# Altium PCB board_layout.pcbdoc (part 2 of 4) (continued)
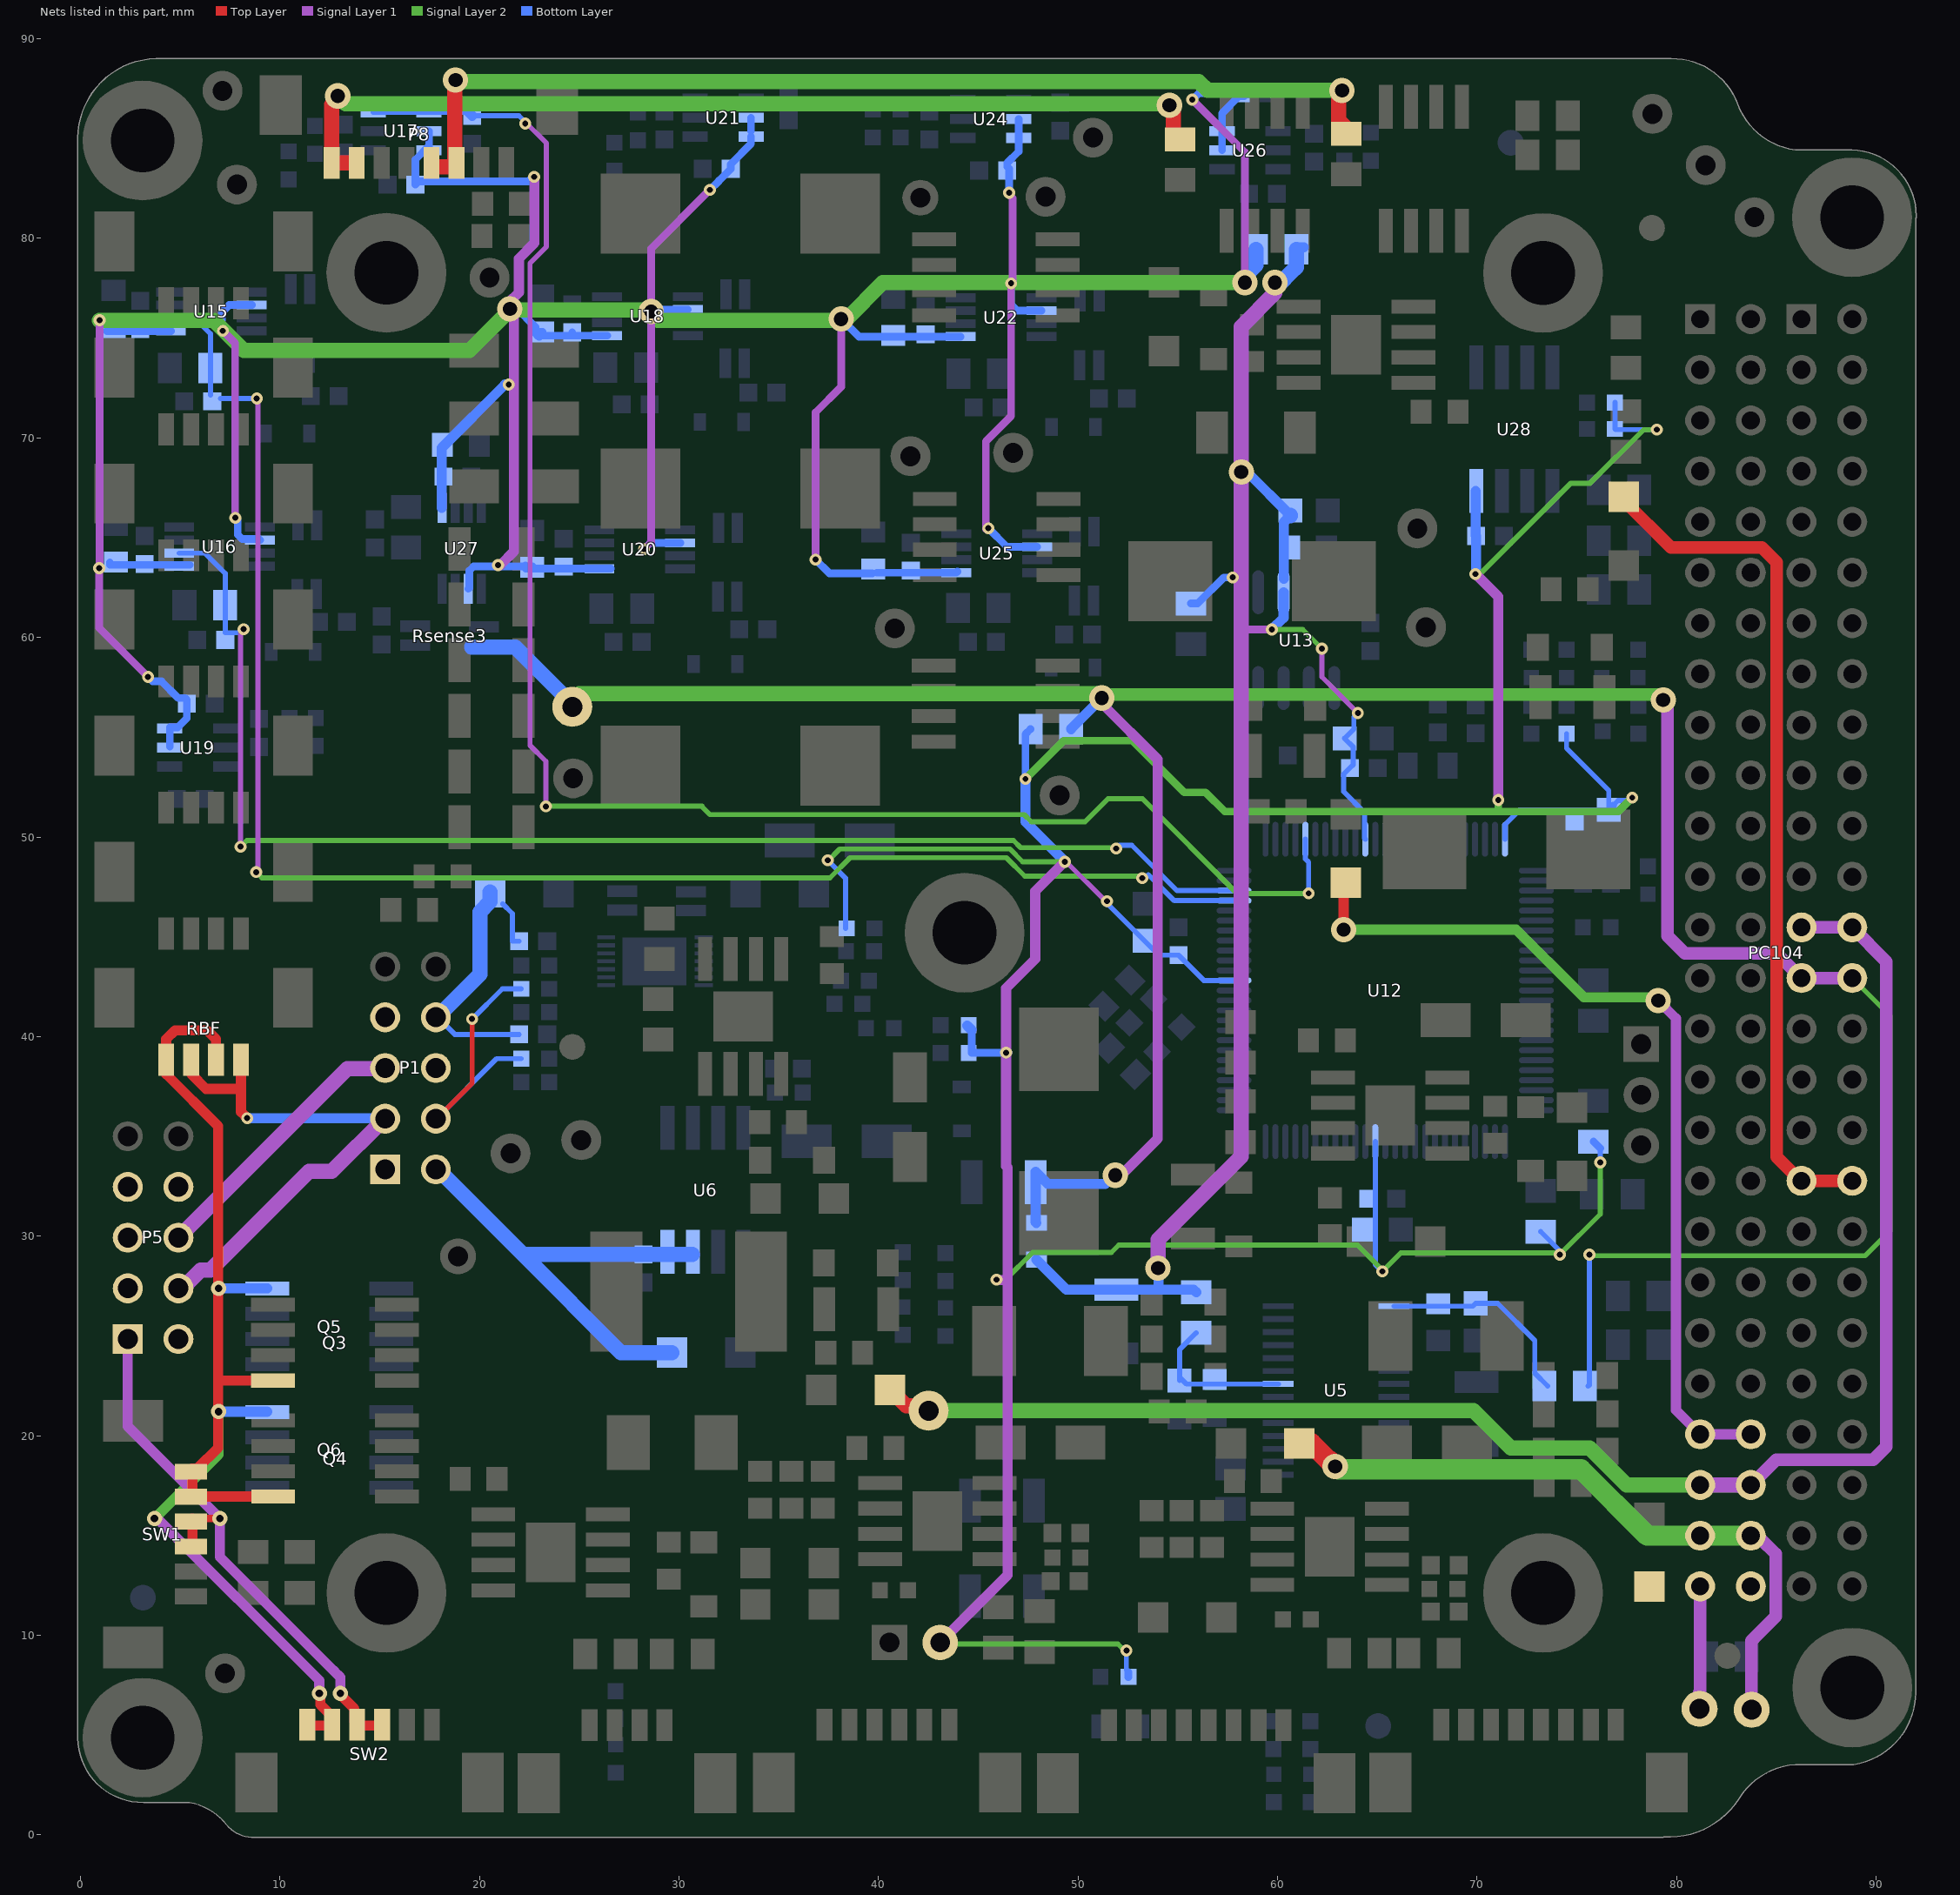
[diagram p4: the nets of this part, all layers, seen from the top]
## Part data (continued)
R38: library part R470R_1%_1/8W_0603, "RES 470R OHM 1/8W 1% 0603", Case Code (Imperial)=0603, Case Code (Metric)=1608, Manufacturer="Vishay Beyschlag", Manufacturer Part Number=MCT06030C4700FP500, Max Operating Temperature=125°C, Max Power Dissipation=125mW, Min Operating Temperature=-55°C, Package Quantity=1, Supplier Part Number 1=594-MCT06030C4700FP5, Temperature Coefficient=50ppm/°C, Tolerance=1%, Voltage Rating=75V, Case/Package=0603, ComponentLink1Description=http://www.vishay.com/docs/28705/mcx0x0xpro.pdf?src-supplier=Digi-Key, ComponentLink1URL=http://www.vishay.com/docs/28705/mcx0x0xpro.pdf?src-supplier=Digi-Key, ComponentLink2Description=http://www.vishay.com/docs/28705/mc_pro.pdf?src-supplier=Avnet, ComponentLink2URL=http://www.vishay.com/docs/28705/mc_pro.pdf?src-supplier=Avnet, ComponentLink3Description=http://www.vishay.com/docs/28705/mc_pro.pdf?src-supplier=Future+Electronics, ComponentLink3URL=http://www.vishay.com/docs/28705/mc_pro.pdf?src-supplier=Future+Electronics, ComponentLink4Description=http://www.vishay.com/docs/28705/mc_pro.pdf?src-supplier=Avnet+Europe, ComponentLink4URL=http://www.vishay.com/docs/28705/mc_pro.pdf?src-supplier=Avnet+Europe, Composition="Thin Film", Contact Plating=Tin, Depth=0.85mm, Height=0.022inch, Lead Free="Lead Free", Length=0.061inch, Military Standard=Not, NCM=8533.21.20, Number of Terminations=2, Packaging="Tape and Reel", Partnumber=MCT06030C4700FP500, Power Rating=125mW, Pricing 1="1=0.16, 50=0.076, 100=0.06, 500=0.034, 1000=0.023, 5000=0.019 (USD)", Pricing 2="1=0.17, 10=0.145, 100=0.0568, 1000=0.02376, 2500=0.02178 (USD)", Radiation Hardening=No, REACH SVHC="No SVHC", Resistance=470R, Stock 1=14813, Stock 2=21456, Supplier 1=Mouser, Supplier 2=Digi-Key, Supplier Part Number 2=MCT0603-470-CFCT-ND, Voltage Rating (DC)=75V, Width=0.033inch
R45 R70: library part R300K_0.1%_1/10W_0603, "RES 300K OHM 1/10W 0.1% 0603", Case Code (Imperial)=0603, Case Code (Metric)=1608, Manufacturer=Susumu, Manufacturer Part Number=RG1608P-304-B-T5, Max Operating Temperature=155°C, Max Power Dissipation=100mW, Min Operating Temperature=-55°C, Package Quantity=1, Power Rating=62.5mW, Resistance=300kR, Supplier Part Number 1=754-RG1608P-304-B-T5, Temperature Coefficient=25ppm/°C, Tolerance=0.1%, Voltage Rating=75V, Case/Package=0603, ComponentLink1Description=http://susumu-usa.com/pdf/RG_RM_RGH_DATASHEET.pdf?src-supplier=Future+Electronics, ComponentLink1URL=http://susumu-usa.com/pdf/RG_RM_RGH_DATASHEET.pdf?src-supplier=Future+Electronics, ComponentLink2Description=http://www.mouser.com/ds/2/392/n_catalog_partition01_en-1140338.pdf?src-supplier=Mouser, ComponentLink2URL=http://www.mouser.com/ds/2/392/n_catalog_partition01_en-1140338.pdf?src-supplier=Mouser, Composition="Thin Film", Height=0.02inch, Lead Free="Lead Free", Length=0.063inch, NCM=8533.21.20, Number of Terminations=2, Packaging="Tape and Reel", Partnumber=RG1608P-304-B-T5, Pricing 1="1=0.4, 10=0.303, 100=0.127, 500=0.102, 1000=0.07, 2500=0.065 (USD)", Pricing 2="1=0.4, 10=0.303, 100=0.1273, 1000=0.07022, 2500=0.06584 (USD)", Stock 1=6874, Stock 2=54195, Supplier 1=Mouser, Supplier 2=Digi-Key, Supplier Part Number 2=RG16P300KBCT-ND, Termination=SMD/SMT, Voltage Rating (DC)=75V, Width=0.031inch
R59: library part R3.24k_1%_1/8W_0805, "RES 3.24k OHM 1/8W 1% 0805 SMD", Case Code (Imperial)=0805, Case Code (Metric)=2012, Manufacturer=Vishay, Manufacturer Part Number=CRCW08053K24FKEA, Max Operating Temperature=155°C, Max Power Dissipation=125mW, Min Operating Temperature=-55°C, Package Quantity=10, Resistance=3.24kR, Supplier Part Number 1=71-CRCW0805-3.24K-E3, Temperature Coefficient=100ppm/°C, Tolerance=1%, Voltage Rating=150V, Case/Package=0805, ComponentLink1Description=http://www.vishay.com/docs/20035/dcrcwe3.pdf?src-supplier=Avnet, ComponentLink1URL=http://www.vishay.com/docs/20035/dcrcwe3.pdf?src-supplier=Avnet, ComponentLink2Description=http://www.vishay.com/docs/20035/dcrcwe3.pdf?src-supplier=Digi-Key, ComponentLink2URL=http://www.vishay.com/docs/20035/dcrcwe3.pdf?src-supplier=Digi-Key, ComponentLink3Description=https://www.alliedelec.com/m/d/0c934d6939ccefa68dbe0b96d821c8cf.pdf?src-supplier=Allied+Electronics, ComponentLink3URL=https://www.alliedelec.com/m/d/0c934d6939ccefa68dbe0b96d821c8cf.pdf?src-supplier=Allied+Electronics, ComponentLink4Description=http://www.farnell.com/datasheets/2111203.pdf?src-supplier=Element14, ComponentLink4URL=http://www.farnell.com/datasheets/2111203.pdf?src-supplier=Element14, ComponentLink5Description=http://www.farnell.com/datasheets/2049244.pdf?src-supplier=Element14, ComponentLink5URL=http://www.farnell.com/datasheets/2049244.pdf?src-supplier=Element14, Composition="Thick Film", Contact Plating=Tin, Depth=1.25mm, Features="Automotive AEC-Q200", Height=0.02inch, Lead Free="Lead Free", Length=2mm, Military Standard=Not, NCM=8533.21.20, Number of Pins=2, Number of Terminations=2, Packaging="Tape and Reel", Partnumber=CRCW08053K24FKEA, Power Rating=125mW, Pricing 1="1=0.1, 10=0.062, 100=0.025, 1000=0.01, 5000=0.007, 10000=0.006 (USD)", Pricing 2="1=0.1, 10=0.062, 100=0.0254, 1000=0.01142, 2500=0.00991 (USD)", Radiation Hardening=No, REACH SVHC=Unknown, Stock 1=17870, Stock 2=7978, Supplier 1=Mouser, Supplier 2=Digi-Key, Supplier Part Number 2=541-3.24KCCT-ND, Termination=Solder, Voltage Rating (DC)=150V, Weight=0.000194oz, Width=1.25mm
R62: library part R47k_1%_1/8W_0603, "RES 47K OHM 1/8W 0.5% 0603", Case Code (Imperial)=0603, Case Code (Metric)=1608, Manufacturer=Vishay, Manufacturer Part Number=MCT0603MD4702DP500, Max Operating Temperature=175°C, Max Power Dissipation=150mW, Min Operating Temperature=-55°C, Package Quantity=1, Power Rating=125mW, Resistance=47kR, Supplier Part Number 1=594-MCT0603MD4702DP5, Temperature Coefficient=25ppm/°C, Tolerance=0.5%, Voltage Rating=75V, Case/Package=0603, ComponentLink1Description=http://www.farnell.com/datasheets/360042.pdf?src-supplier=Farnell, ComponentLink1URL=http://www.farnell.com/datasheets/360042.pdf?src-supplier=Farnell, ComponentLink2Description=http://www.vishay.com/docs/28760/mcat_pro.pdf?src-supplier=Digi-Key, ComponentLink2URL=http://www.vishay.com/docs/28760/mcat_pro.pdf?src-supplier=Digi-Key, Composition="Thin Film", Features="Automotive AEC-Q200,Anti-Sulfur", Height=0.022inch, Length=0.061inch, NCM=8533.21.20, Number of Pins=2, Number of Terminations=2, Packaging="Tape and Reel", Partnumber=MCT0603MD4702DP500, Pricing 1="1=0.39, 10=0.224, 100=0.12, 500=0.096, 1000=0.072, 2500=0.062 (USD)", Pricing 2="1=0.41, 10=0.294, 100=0.1176, 1000=0.05797, 2500=0.05371 (USD)", REACH SVHC="No SVHC", Stock 1=1149, Stock 2=4275, Supplier 1=Mouser, Supplier 2=Digi-Key, Supplier Part Number 2=MCT0603-47K-MDCT-ND, Termination=SMD/SMT, Voltage Rating (DC)=75V, Weight=7.1E-05oz, Width=0.8mm
R64: library part R4.7K_1%_1/8W_0603, "RES 4K7 OHM 1/8W 1% 0603", Case/Package=0603, Case Code (Metric)=1608, Manufacturer="Vishay Beyschlag", Manufacturer Part Number=MCT06030C4701FP500, Max Operating Temperature=125°C, Max Power Dissipation=125mW, Min Operating Temperature=-55°C, Package Quantity=1, Resistance=4.7kR, Supplier Part Number 1=594-MCT06030C4701FP5, Temperature Coefficient=50ppm/°C, Tolerance=1%, Voltage Rating=75V, Case Code (Imperial)=0603, ComponentLink1Description=http://www.vishay.com/docs/28705/mc_pro.pdf?src-supplier=Avnet, ComponentLink1URL=http://www.vishay.com/docs/28705/mc_pro.pdf?src-supplier=Avnet, ComponentLink2Description=http://www.vishay.com/docs/28705/mc_pro.pdf?src-supplier=Future+Electronics, ComponentLink2URL=http://www.vishay.com/docs/28705/mc_pro.pdf?src-supplier=Future+Electronics, ComponentLink3Description=http://www.vishay.com/docs/28705/mcx0x0xpro.pdf?src-supplier=Digi-Key, ComponentLink3URL=http://www.vishay.com/docs/28705/mcx0x0xpro.pdf?src-supplier=Digi-Key, Composition="Thin Film", Contact Plating=Tin, Depth=0.85mm, Height=0.022inch, Lead Free="Lead Free", Length=1.55mm, Military Standard=Not, Mount="Surface Mount", Number of Terminations=2, Packaging="Tape and Reel", Partnumber=MCT06030C4701FP500, Power Rating=125mW, Pricing 1="1=0.16, 50=0.076, 100=0.06, 500=0.034, 1000=0.023, 5000=0.019 (USD)", Pricing 2="1=0.17, 10=0.145, 100=0.0568, 1000=0.02376, 2500=0.02178 (USD)", Radiation Hardening=No, REACH SVHC="No SVHC", Stock 1=126399, Stock 2=38031, Supplier 1=Mouser, Supplier 2=Digi-Key, Supplier Part Number 2=MCT0603-4.70K-CFCT-ND, Voltage Rating (DC)=75V, Width=0.033inch
R65 R66: library part R10k_1%_1/8W_0603, "RES 10K OHM 1/8W 1%  0603", Case Code (Imperial)=0603, Case Code (Metric)=1608, Manufacturer="Vishay Beyschlag", Manufacturer Part Number=MCT0603MC1002FP500, Max Operating Temperature=155°C, Min Operating Temperature=-55°C, Package Quantity=5000, Power Rating=125mW, Resistance=10kR, Supplier Part Number 1=594-MCT0603MC1002FP5, Tolerance=1%, Voltage Rating=75V, Case/Package=0603, ComponentLink1Description=http://www.mouser.com/ds/2/427/mcat_pro-223602.pdf?src-supplier=Mouser, ComponentLink1URL=http://www.mouser.com/ds/2/427/mcat_pro-223602.pdf?src-supplier=Mouser, ComponentLink2Description=http://www.vishay.com/docs/28760/mcat_pro.pdf?src-supplier=Digi-Key, ComponentLink2URL=http://www.vishay.com/docs/28760/mcat_pro.pdf?src-supplier=Digi-Key, Composition="Thin Film", Height=0.45mm, Length=1.6mm, NCM=8533.21.20, Packaging="Tape and Reel", Partnumber=MCT0603MC1002FP500, Pricing 1="1=0.35, 10=0.258, 100=0.113, 500=0.102, 1000=0.051, 2500=0.046 (USD)", Pricing 2="1=0.35, 10=0.298, 100=0.1164, 1000=0.04871, 2500=0.04465 (USD)", Stock 1=17645, Stock 2=63961, Supplier 1=Mouser, Supplier 2=Digi-Key, Supplier Part Number 2=MCT0603-10.0K-MFCT-ND, Termination=SMD/SMT, Weight=7.1E-05oz, Width=0.8mm
R69 R74 R81: library part R93.1K_1%_1/10W_0603, "RES 93.1K OHM 1/10W 1% 0603", Case Code (Imperial)=0603, Case Code (Metric)=1608, Manufacturer=Vishay, Manufacturer Part Number=CRCW060393K1FKEA, Max Operating Temperature=155°C, Max Power Dissipation=100mW, Min Operating Temperature=-55°C, Package Quantity=10, Resistance=93.1kR, Supplier Part Number 1=71-CRCW0603-93.1K-E3, Temperature Coefficient=100ppm/°C, Tolerance=1%, Voltage Rating=75V, Case/Package=0603, ComponentLink1Description=http://www.farnell.com/datasheets/2046716.pdf?src-supplier=Element14, ComponentLink1URL=http://www.farnell.com/datasheets/2046716.pdf?src-supplier=Element14, ComponentLink2Description=http://www.farnell.com/datasheets/2111203.pdf?src-supplier=Element14, ComponentLink2URL=http://www.farnell.com/datasheets/2111203.pdf?src-supplier=Element14, ComponentLink3Description=https://www.alliedelec.com/m/d/0c934d6939ccefa68dbe0b96d821c8cf.pdf?src-supplier=Allied+Electronics, ComponentLink3URL=https://www.alliedelec.com/m/d/0c934d6939ccefa68dbe0b96d821c8cf.pdf?src-supplier=Allied+Electronics, ComponentLink4Description=http://www.vishay.com/docs/20035/dcrcwe3.pdf?src-supplier=Digi-Key, ComponentLink4URL=http://www.vishay.com/docs/20035/dcrcwe3.pdf?src-supplier=Digi-Key, ComponentLink5Description=http://www.farnell.com/datasheets/1697337.pdf?src-supplier=Element14, ComponentLink5URL=http://www.farnell.com/datasheets/1697337.pdf?src-supplier=Element14, ComponentLink6Description=http://www.mouser.com/ds/2/427/dcrcwe3-109170.pdf?src-supplier=Mouser, ComponentLink6URL=http://www.mouser.com/ds/2/427/dcrcwe3-109170.pdf?src-supplier=Mouser, ComponentLink7Description=http://www.vishay.com/docs/20035/dcrcwe3.pdf?src-supplier=Avnet, ComponentLink7URL=http://www.vishay.com/docs/20035/dcrcwe3.pdf?src-supplier=Avnet, ComponentLink8Description=http://www.vishay.com/docs/20035/dcrcwe3.pdf?src-supplier=Future+Electronics, ComponentLink8URL=http://www.vishay.com/docs/20035/dcrcwe3.pdf?src-supplier=Future+Electronics, Composition="Thick Film", Contact Plating=Tin, Depth=0.85mm, Features="Automotive AEC-Q200", Height=0.45mm, Lead Free="Lead Free", Length=1.55mm, Military Standard=Not, Mount="Surface Mount", NCM=8533.21.20, Number of Pins=2, Number of Terminations=2, Packaging="Tape and Reel", Partnumber=CRCW060393K1FKEA, Power Rating=100mW, Pricing 1="1=0.1, 10=0.037, 100=0.034, 500=0.015, 1000=0.006, 2500=0.005 (USD)", Pricing 2="1=0.1, 10=0.034, 100=0.0139, 1000=0.00623, 2500=0.0054 (USD)", Radiation Hardening=No, REACH SVHC=Unknown, Stock 1=10084, Stock 2=12334, Supplier 1=Mouser, Supplier 2=Digi-Key, Supplier Part Number 2=541-93.1KHCT-ND, Termination=SMD/SMT, Voltage Rating (DC)=75V, Weight=7.1E-05oz, Width=0.033inch, Working Voltage=75V
R71 R73 R76 R82 R86: library part R100K_1%_1/10W_0603, "RES 100K OHM 1/10W 1% 0603", Case Code (Imperial)=0603, Case Code (Metric)=1608, Manufacturer=Vishay, Manufacturer Part Number=CRCW0603-100KFKEA, Max Operating Temperature=155°C, Max Power Dissipation=100mW, Min Operating Temperature=-55°C, Package Quantity=10, Partnumber=CRCW0603100KFKEA, Resistance=100kR, Supplier Part Number 1=71-CRCW0603-100K-E3, Temperature Coefficient=100ppm/°C, Tolerance=1%, Voltage Rating=75V, Case/Package=0603, ComponentLink1Description=http://www.vishay.com/docs/20035/dcrcwe3.pdf?src-supplier=Digi-Key, ComponentLink1URL=http://www.vishay.com/docs/20035/dcrcwe3.pdf?src-supplier=Digi-Key, ComponentLink2Description=http://www.farnell.com/datasheets/2310790.pdf?src-supplier=Element14, ComponentLink2URL=http://www.farnell.com/datasheets/2310790.pdf?src-supplier=Element14, ComponentLink3Description=https://www.verical.com/server-webapp/html/getDatasheet?partID=93113&src-supplier=Verical, ComponentLink3URL=https://www.verical.com/server-webapp/html/getDatasheet?partID=93113&src-supplier=Verical, ComponentLink4Description=http://www.farnell.com/datasheets/2045673.pdf?src-supplier=Element14, ComponentLink4URL=http://www.farnell.com/datasheets/2045673.pdf?src-supplier=Element14, ComponentLink5Description=http://www.farnell.com/datasheets/2310790.pdf?src-supplier=Avnet, ComponentLink5URL=http://www.farnell.com/datasheets/2310790.pdf?src-supplier=Avnet, ComponentLink6Description=http://www.farnell.com/datasheets/2310790.pdf?src-supplier=Allied+Electronics, ComponentLink6URL=http://www.farnell.com/datasheets/2310790.pdf?src-supplier=Allied+Electronics, ComponentLink7Description=http://www.vishay.com/docs/20035/dcrcwe3.pdf?src-supplier=Avnet, ComponentLink7URL=http://www.vishay.com/docs/20035/dcrcwe3.pdf?src-supplier=Avnet, ComponentLink8Description=http://www.farnell.com/datasheets/2310790.pdf?src-supplier=Mouser, ComponentLink8URL=http://www.farnell.com/datasheets/2310790.pdf?src-supplier=Mouser, ComponentLink9Description=http://uk.rs-online.com/webdocs/0d98/0900766b80d98afc.pdf?src-supplier=RSComponents, ComponentLink9URL=http://uk.rs-online.com/webdocs/0d98/0900766b80d98afc.pdf?src-supplier=RSComponents, ComponentLink10Description=http://www.farnell.com/datasheets/2310790.pdf?src-supplier=Distrelec, ComponentLink10URL=http://www.farnell.com/datasheets/2310790.pdf?src-supplier=Distrelec, ComponentLink11Description=http://www.vishay.com/docs/20008/dcrcw.pdf?src-supplier=Avnet+Europe, ComponentLink11URL=http://www.vishay.com/docs/20008/dcrcw.pdf?src-supplier=Avnet+Europe, Composition="Thick Film", Contact Plating=Tin,Lead, Depth=0.85mm, Features="Automotive AEC-Q200", Height=0.45mm, Lead Free="Lead Free", Length=1.55mm, Military Standard=Not, NCM=8533.21.20, Number of Pins=2, Number of Terminations=2, Packaging="Tape and Reel", Power Rating=100mW, Pricing 1="1=0.1, 10=0.037, 100=0.015, 500=0.006, 1000=0.004, 5000=0.004 (USD)", Pricing 2="1=0.1, 10=0.034, 100=0.0139, 1000=0.00623, 2500=0.0054 (USD)", Radiation Hardening=No, REACH SVHC=Unknown, Stock 1=53, Stock 2=34451, Supplier 1=Mouser, Supplier 2=Digi-Key, Supplier Part Number 2=541-100KHCT-ND, Termination=SMD/SMT, Voltage Rating (DC)=75V, Weight=7.1E-05oz, Width=0.033inch
R80: library part R1.0k_1%_1/8W_0603, "RES 1.0K OHM 1/8W 1% 0603", Case/Package=0603, Case Code (Metric)=1608, Manufacturer=Vishay, Manufacturer Part Number=MCT06030C1001FP500, Max Operating Temperature=125°C, Max Power Dissipation=125mW, Min Operating Temperature=-55°C, Package Quantity=1, Power Rating=100mW, Resistance=1kR, Supplier Part Number 1=594-MCT06030C1001FP5, Temperature Coefficient=50ppm/°C, Tolerance=1%, Voltage Rating=75V, Case Code (Imperial)=0603, ComponentLink1Description=http://www.vishay.com/docs/28705/mcx0x0xpro.pdf?src-supplier=Digi-Key, ComponentLink1URL=http://www.vishay.com/docs/28705/mcx0x0xpro.pdf?src-supplier=Digi-Key, ComponentLink2Description=http://www.vishay.com/docs/28705/mc_pro.pdf?src-supplier=Avnet+Europe, ComponentLink2URL=http://www.vishay.com/docs/28705/mc_pro.pdf?src-supplier=Avnet+Europe, ComponentLink3Description=http://www.vishay.com/docs/28705/mc_pro.pdf?src-supplier=Avnet, ComponentLink3URL=http://www.vishay.com/docs/28705/mc_pro.pdf?src-supplier=Avnet, ComponentLink4Description=http://www.vishay.com/docs/28705/mc_pro.pdf?src-supplier=Future+Electronics, ComponentLink4URL=http://www.vishay.com/docs/28705/mc_pro.pdf?src-supplier=Future+Electronics, Composition="Thin Film", Contact Plating=Tin, Depth=0.85mm, Height=0.022inch, Lead Free="Lead Free", Length=1.55mm, Military Standard=Not, Mount="Surface Mount", NCM=8533.21.20, Number of Terminations=2, Packaging="Tape and Reel", Partnumber=MCT06030C1001FP500, Pricing 1="1=0.1, 1000=0.025, 2000=0.023, 5000=0.019, 10000=0.018, 20000=0.017 (USD)", Pricing 2="1=0.17, 10=0.145, 100=0.0568, 1000=0.02376, 2500=0.02178 (USD)", Radiation Hardening=No, REACH SVHC=Unknown, Stock 1=142157, Stock 2=268907, Supplier 1=Mouser, Supplier 2=Digi-Key, Supplier Part Number 2=MCT0603-1.00K-CFCT-ND, Termination=SMD/SMT, Voltage Rating (DC)=75V, Weight=7.1E-05oz, Width=0.033inch
R83 R84: library part R10k_1%_1/8W_0603, "RES 10K OHM 1/8W 1%  0603", Case/Package=0603, Case Code (Metric)=1608, Manufacturer="Vishay Beyschlag", Manufacturer Part Number=MCT0603MC1002FP500, Max Operating Temperature=155°C, Min Operating Temperature=-55°C, Package Quantity=5000, Power Rating=125mW, Resistance=10kR, Supplier Part Number 1=594-MCT0603MC1002FP5, Tolerance=1%, Voltage Rating=75V, Case Code (Imperial)=0603, ComponentLink1Description=http://www.mouser.com/ds/2/427/mcat_pro-223602.pdf?src-supplier=Mouser, ComponentLink1URL=http://www.mouser.com/ds/2/427/mcat_pro-223602.pdf?src-supplier=Mouser, ComponentLink2Description=http://www.vishay.com/docs/28760/mcat_pro.pdf?src-supplier=Digi-Key, ComponentLink2URL=http://www.vishay.com/docs/28760/mcat_pro.pdf?src-supplier=Digi-Key, Composition="Thin Film", Height=0.45mm, Length=1.6mm, NCM=8533.21.20, Packaging="Tape and Reel", Partnumber=MCT0603MC1002FP500, Pricing 1="1=0.35, 10=0.258, 100=0.113, 500=0.102, 1000=0.051, 2500=0.046 (USD)", Pricing 2="1=0.35, 10=0.298, 100=0.1164, 1000=0.04871, 2500=0.04465 (USD)", Stock 1=17645, Stock 2=63961, Supplier 1=Mouser, Supplier 2=Digi-Key, Supplier Part Number 2=MCT0603-10.0K-MFCT-ND, Termination=SMD/SMT, Weight=7.1E-05oz, Width=0.8mm
R92: library part R150R_1%_1/10W_0603, "RES 150R OHM 1/10W 1% 0603", Case/Package=0603, Case Code (Metric)=1608, Manufacturer=Vishay, Manufacturer Part Number=CRCW0603150RFKEA, Max Operating Temperature=155°C, Max Power Dissipation=100mW, Min Operating Temperature=-55°C, Package Quantity=10, Supplier Part Number 1=71-CRCW0603-150-E3, Temperature Coefficient=100ppm/°C, Tolerance=1%, Voltage Rating=75V, Case Code (Imperial)=0603, ComponentLink1Description=http://www.vishay.com/docs/20035/dcrcwe3.pdf?src-supplier=Digi-Key, ComponentLink1URL=http://www.vishay.com/docs/20035/dcrcwe3.pdf?src-supplier=Digi-Key, ComponentLink2Description=http://www.mouser.com/ds/2/427/dcrcwe3-109170.pdf?src-supplier=Mouser, ComponentLink2URL=http://www.mouser.com/ds/2/427/dcrcwe3-109170.pdf?src-supplier=Mouser, ComponentLink3Description=http://uk.rs-online.com/webdocs/0d98/0900766b80d98afc.pdf?src-supplier=RSComponents, ComponentLink3URL=http://uk.rs-online.com/webdocs/0d98/0900766b80d98afc.pdf?src-supplier=RSComponents, ComponentLink4Description=http://www.vishay.com/docs/20035/dcrcwe3.pdf?src-supplier=Avnet+Europe, ComponentLink4URL=http://www.vishay.com/docs/20035/dcrcwe3.pdf?src-supplier=Avnet+Europe, ComponentLink5Description=https://www.distrelec.biz/Web/Downloads/a_/en/flD-CRCW-e3_data_en.pdf?mime=application%2Fpdf&src-supplier=Distrelec, ComponentLink5URL=https://www.distrelec.biz/Web/Downloads/a_/en/flD-CRCW-e3_data_en.pdf?mime=application%2Fpdf&src-supplier=Distrelec, ComponentLink6Description=http://www.farnell.com/datasheets/2310790.pdf?src-supplier=Element14, ComponentLink6URL=http://www.farnell.com/datasheets/2310790.pdf?src-supplier=Element14, ComponentLink7Description=https://www.alliedelec.com/m/d/0c934d6939ccefa68dbe0b96d821c8cf.pdf?src-supplier=Allied+Electronics, ComponentLink7URL=https://www.alliedelec.com/m/d/0c934d6939ccefa68dbe0b96d821c8cf.pdf?src-supplier=Allied+Electronics, ComponentLink8Description=http://www.vishay.com/docs/20035/dcrcwe3.pdf?src-supplier=Avnet, ComponentLink8URL=http://www.vishay.com/docs/20035/dcrcwe3.pdf?src-supplier=Avnet, Composition="Thick Film", Contact Plating=Tin, Depth=0.85mm, Features="Automotive AEC-Q200", Height=0.45mm, Lead Free="Lead Free", Length=1.55mm, Military Standard=Not, Mount="Surface Mount", NCM=8533.21.20, Number of Terminations=2, Packaging="Tape and Reel", Partnumber=CRCW0603150RFKEA, Power Rating=100mW, Pricing 1="1=0.1, 10=0.037, 100=0.034, 500=0.015, 1000=0.006, 2500=0.005 (USD)", Pricing 2="1=0.1, 10=0.034, 100=0.0139, 1000=0.00623, 2500=0.0054 (USD)", Radiation Hardening=No, REACH SVHC=Unknown, Resistance=150R, Stock 1=109151, Stock 2=5196, Supplier 1=Mouser, Supplier 2=Digi-Key, Supplier Part Number 2=541-150HCT-ND, Termination=SMD/SMT, Voltage Rating (DC)=75V, Weight=7.1E-05oz, Width=0.033inch
R_ESD: library part R1200k_1%_1/8W_0805, "RES 1200K OHM 1/8W 0.1% 0805", Case Code (Imperial)=0805, Case Code (Metric)=2012, Manufacturer=Susumu, Manufacturer Part Number=RG2012P-125-B-T5, Max Operating Temperature=155°C, Max Power Dissipation=125mW, Min Operating Temperature=-55°C, Resistance=1.2MR, Supplier Part Number 1=754-RG2012P-125B-T5, Temperature Coefficient=25ppm/°C, Tolerance=0.1%, Case/Package=0805, Composition="Thin Film", Features="Automotive AEC-Q200,Anti-Sulfur", Number of Terminations=2, Packaging="Cut Tape", Partnumber=RG2012P-125-B-T5, Pricing 1="1=0.61, 10=0.47, 100=0.197, 500=0.151, 1000=0.109, 2500=0.102 (USD)", Pricing 2="1=0.58, 10=0.448, 100=0.1882, 1000=0.10384, 2500=0.09735 (USD)", Stock 1=26639, Stock 2=10826, Supplier 1=Mouser, Supplier 2=Digi-Key, Supplier Part Number 2=408-2024-1-ND
RBF: "PicoBlade 4 Position Vertical Connector Header Surface Mount  0.049\" (1.25mm)", Color=Natural, Contact Resistance=20mR, Current Rating=1A, Flammability Rating="UL94 V-0", Insulation Resistance=100MR, Manufacturer=Molex, Manufacturer Part Number=53398-0471, Max Operating Temperature=85°C, Min Operating Temperature=-40°C, Package Quantity=1000, Supplier Part Number 1=538-53398-0471, Voltage Rating=125V, Body Plating=Tin, ComponentLink1Description=http://www.mouser.com/ds/2/276/0533980471_PCB_HEADERS-171069.pdf?src-supplier=Mouser, ComponentLink1URL=http://www.mouser.com/ds/2/276/0533980471_PCB_HEADERS-171069.pdf?src-supplier=Mouser, ComponentLink2Description=http://www.jameco.com/Jameco/Products/ProdDS/1932627.pdf?src-supplier=Jameco, ComponentLink2URL=http://www.jameco.com/Jameco/Products/ProdDS/1932627.pdf?src-supplier=Jameco, ComponentLink3Description=https://www.distrelec.biz/Web/Downloads/46/_e/gf116833-116846_e.pdf?mime=application%2Fpdf&src-supplier=Distrelec, ComponentLink3URL=https://www.distrelec.biz/Web/Downloads/46/_e/gf116833-116846_e.pdf?mime=application%2Fpdf&src-supplier=Distrelec, ComponentLink4Description=http://www.molex.com/webdocs/datasheets/pdf/en-us/0533980471_PCB_HEADERS.pdf?src-supplier=Element14, ComponentLink4URL=http://www.molex.com/webdocs/datasheets/pdf/en-us/0533980471_PCB_HEADERS.pdf?src-supplier=Element14, ComponentLink5Description=http://www.farnell.com/datasheets/1867381.pdf?src-supplier=Element14, ComponentLink5URL=http://www.farnell.com/datasheets/1867381.pdf?src-supplier=Element14, ComponentLink6Description=http://uk.rs-online.com/webdocs/13c4/0900766b813c4500.pdf?src-supplier=RSComponents, ComponentLink6URL=http://uk.rs-online.com/webdocs/13c4/0900766b813c4500.pdf?src-supplier=RSComponents, ComponentLink7Description=http://www.molex.com/webdocs/datasheets/pdf/en-us/0533980471_PCB_HEADERS.pdf?src-supplier=Farnell, ComponentLink7URL=http://www.molex.com/webdocs/datasheets/pdf/en-us/0533980471_PCB_HEADERS.pdf?src-supplier=Farnell, ComponentLink8Description=http://www.farnell.com/datasheets/2697809.pdf?src-supplier=Element14, ComponentLink8URL=http://www.farnell.com/datasheets/2697809.pdf?src-supplier=Element14, ComponentLink9Description=http://www.molex.com/webdocs/datasheets/pdf/en-us/0533980471_PCB_HEADERS.pdf?src-supplier=Avnet, ComponentLink9URL=http://www.molex.com/webdocs/datasheets/pdf/en-us/0533980471_PCB_HEADERS.pdf?src-supplier=Avnet, ComponentLink10Description=http://www.molex.com/webdocs/datasheets/pdf/en-us/0533980471_PCB_HEADERS.pdf?src-supplier=Avnet+Europe, ComponentLink10URL=http://www.molex.com/webdocs/datasheets/pdf/en-us/0533980471_PCB_HEADERS.pdf?src-supplier=Avnet+Europe, Contact Material=Bronze,Tin,Brass, Contact Plating=Tin, Gender=Male, Glow Wire Compliant=Non-compliant, Housing Color=Natural, Housing Material=Nylon, LatestRevisionDate=17-Jul-2002, LatestRevisionNote="Re-released for DXP Platform.", Lead Free="Lead Free", Lead Pitch=1.25mm, Mount="Surface Mount", Number of Circuits=4, Number of Contacts=4, Number of Positions=4, Number of Rows=1, Orientation=Vertical, Packaging="Tape and Reel", Partnumber=53398-0471, Pitch=1.25mm, Pricing 1="1=0.98, 10=0.832, 100=0.716, 500=0.6, 1000=0.391, 2000=0.342 (USD)", Pricing 2="1=1.19, 10=1.044, 100=0.901, 500=0.73716 (USD)", Publisher="Altium Limited", Radiation Hardening=No, REACH SVHC=Unknown, Stock 1=43251, Stock 2=20817, Supplier 1=Mouser, Supplier 2=Digi-Key, Supplier Part Number 2=WM7608CT-ND, Termination=Solder, Voltage Rating (AC)=125V, Voltage Rating (DC)=125V, Working Voltage=125V
RSense1: library part R0.01R_0.5%_0.5W_1206_4_terminal, "Current Sense Resistors - SMD 0.01ohm .5% 4 Terminal", Case Code (Imperial)=1206, Case Code (Metric)=3216, Manufacturer=Ohmite, Manufacturer Part Number=LVK12R010DER, Max Operating Temperature=125°C, Max Power Dissipation=500mW, Min Operating Temperature=-40°C, Package Quantity=1, Resistance=10mR, Supplier Part Number 1=588-LVK12R010DER, Temperature Coefficient=50ppm/°C, Tolerance=0.5%, Case/Package=1206, ComponentLink1Description=http://www.mouser.com/ds/2/303/res_lvk-526397.pdf?src-supplier=Mouser, ComponentLink1URL=http://www.mouser.com/ds/2/303/res_lvk-526397.pdf?src-supplier=Mouser, ComponentLink2Description=http://www.ohmite.com/assets/docs/res_lvk.pdf?r=false&src-supplier=Digi-Key, ComponentLink2URL=http://www.ohmite.com/assets/docs/res_lvk.pdf?r=false&src-supplier=Digi-Key, ComponentLink3Description=http://www.farnell.com/datasheets/2553343.pdf?src-supplier=Element14, ComponentLink3URL=http://www.farnell.com/datasheets/2553343.pdf?src-supplier=Element14, ComponentLink4Description=http://www.farnell.com/datasheets/1928848.pdf?src-supplier=Element14, ComponentLink4URL=http://www.farnell.com/datasheets/1928848.pdf?src-supplier=Element14, ComponentLink5Description=https://www.alliedelec.com/m/d/8bcba2f42146915c5c22f667886779d2.pdf?src-supplier=Allied+Electronics, ComponentLink5URL=https://www.alliedelec.com/m/d/8bcba2f42146915c5c22f667886779d2.pdf?src-supplier=Allied+Electronics, Composition="Thick Film,Metal Film,Thin Film", Depth=1.6mm, Features="Moisture Resistant", Height=0.5mm, Length=3.2mm, Mount="Surface Mount", NCM=8533.21.20, Number of Terminations=4, Packaging="Tape and Reel", Partnumber=LVK12R010DER, Power Rating=500mW, Pricing 1="1=0.89, 10=0.784, 25=0.721, 50=0.657, 100=0.569, 250=0.48 (USD)", Pricing 2="1=0.89, 10=0.784, 25=0.7212, 50=0.6578, 100=0.5693, 250=0.48072, 500=0.4048, 1000=0.34408 (USD)", REACH SVHC=Unknown, Stock 1=41390, Stock 2=186044, Supplier 1=Mouser, Supplier 2=Digi-Key, Supplier Part Number 2=LVK12R010DERCT-ND, Termination=SMD/SMT, Weight=0.000571oz, Width=1.6mm
Rsense3: library part R0.075R_1%_0.5W_1206, "Current Sense Resistors - SMD 1/2W 0.075 OHMS 1% 4 Terminal", Case Code (Imperial)=1206, Case Code (Metric)=3216, Manufacturer=Ohmite, Manufacturer Part Number=LVK12R075FER, Max Operating Temperature=125°C, Max Power Dissipation=500mW, Min Operating Temperature=-40°C, Resistance=75mR, Supplier Part Number 1=588-LVK12R075FER, Temperature Coefficient=50ppm/°C, Tolerance=1%, Case/Package=1206, ComponentLink1Description=http://www.mouser.com/ds/2/303/res_lvk-526397.pdf?src-supplier=Mouser, ComponentLink1URL=http://www.mouser.com/ds/2/303/res_lvk-526397.pdf?src-supplier=Mouser, ComponentLink2Description=http://www.alliedelec.com/images/products/datasheets/bm/OHMITE/70585002.pdf?src-supplier=Allied+Electronics, ComponentLink2URL=http://www.alliedelec.com/images/products/datasheets/bm/OHMITE/70585002.pdf?src-supplier=Allied+Electronics, ComponentLink3Description=http://www.ohmite.com/cat/res_lvk.pdf?src-supplier=Digi-Key, ComponentLink3URL=http://www.ohmite.com/cat/res_lvk.pdf?src-supplier=Digi-Key, Composition="Thick Film", Features="Moisture Resistant", Height=0.026inch, Length=0.126inch, NCM=8533.21.20, Number of Terminations=4, Packaging="Tape and Reel", Partnumber=LVK12R075FER, Pricing 1="1=0.7, 10=0.608, 25=0.488, 100=0.422, 250=0.41, 500=0.409 (USD)", Pricing 2="1=0.92, 10=0.8 (USD)", Stock 1=1880, Stock 2=16, Supplier 1=Mouser, Supplier 2=Digi-Key, Supplier Part Number 2=LVK12R075FERCT-ND, Width=0.063inch
SBW SW1 SW2: "PicoBlade 6 Position Right Angle Connector Header Surface Mount  0.049\" (1.25mm)", Partnumber=53398-0671, LatestRevisionDate=17-Jul-2002, LatestRevisionNote="Re-released for DXP Platform.", Publisher="Altium Limited"
SYSTEM_FAULT: library part LED/R_0602, "Red 625nm LED Indication - Discrete 2V 0603 (1608 Metric)", NCM=8541.40.21, Partnumber=150060RS75000
SYSTEM_ON: library part LED/R_0603, "SMD Red LED", Case Code (Imperial)=0603, Case Code (Metric)=1608, Color=Orange, Forward Current=30mA, Forward Voltage=2V, Lens Color=Colorless, Manufacturer="Vishay Lite-On", Manufacturer Part Number=LTST-C191KFKT, Max Operating Temperature=85°C, Min Operating Temperature=-55°C, Package Quantity=1, Power Dissipation=75mW, Reverse Voltage=5V, Supplier Part Number 1=859-LTST-C191KFKT, Test Current=20mA, Case/Package=0603, ComponentLink1Description=http://optoelectronics.liteon.com/upload/download/DS22-2000-222/LTST-C191KFKT.pdf?src-supplier=Digi-Key, ComponentLink1URL=http://optoelectronics.liteon.com/upload/download/DS22-2000-222/LTST-C191KFKT.pdf?src-supplier=Digi-Key, ComponentLink2Description=http://www.mouser.com/ds/2/239/liteon_ltst-c191gkt-371200.pdf?src-supplier=Mouser, ComponentLink2URL=http://www.mouser.com/ds/2/239/liteon_ltst-c191gkt-371200.pdf?src-supplier=Mouser, ComponentLink3Description=https://www.verical.com/server-webapp/html/getDatasheet?partID=631075&src-supplier=Verical, ComponentLink3URL=https://www.verical.com/server-webapp/html/getDatasheet?partID=631075&src-supplier=Verical, Depth=0.8mm, Dominant Wavelength=605nm, Height=0.55mm, Illumination Color=Orange, Lead Free="Lead Free", Length=1.6mm, Lens Style=Diffused,Colorless,Rectangular, Lens Transparency=Clear, Luminous Intensity=90mcd, Mount="Surface Mount", NCM=8541.40.21, Number of Elements=1, Number of LEDs=1, Number of Pins=2, Packaging="Tape and Reel", Partnumber=LTST-C191KFKT, Power Rating=75mW, Pricing 1="1=0.25, 10=0.13, 100=0.061, 1000=0.045, 5000=0.038, 10000=0.034 (USD)", Pricing 2="1=0.24, 10=0.179, 100=0.0846, 500=0.0564, 1000=0.04418, 2500=0.04324 (USD)", Radiation Hardening=No, Stock 1=15603, Stock 2=8670, Supplier 1=Mouser, Supplier 2=Digi-Key, Supplier Part Number 2=160-1445-1-ND, Viewing Angle=130°, Wavelength=611nm, Width=0.8mm
U2 U14: Case/Package=SOP, Manufacturer="Texas Instruments", Max Input Voltage=42V, Max Operating Temperature=125°C, Max Output Current=5A, Max Output Voltage=41.1V, Min Input Voltage=4.5V, Min Operating Temperature=-40°C, Min Output Voltage=800mV, Package Quantity=2500, Quiescent Current=146uA, Supplier Part Number 1=595-TPS54540QDDARQ1, Switching Frequency=2.5MHz, ComponentLink1Description=http://www.ti.com/lit/ds/symlink/tps54540-q1.pdf?src-supplier=Digi-Key, ComponentLink1URL=http://www.ti.com/lit/ds/symlink/tps54540-q1.pdf?src-supplier=Digi-Key, ComponentLink2Description=http://www.ti.com/lit/ds/symlink/tps54540-q1.pdf?src-supplier=Avnet, ComponentLink2URL=http://www.ti.com/lit/ds/symlink/tps54540-q1.pdf?src-supplier=Avnet, Contact Plating=Gold,Silver, Lead Free="Lead Free", Manufacturer Part Number=TPS54540QDDARQ1, Mount="Surface Mount", Number of Outputs=1, Number of Pins=8, Operating Supply Voltage=42V, Output Configuration=Positive, Output Current=5A, Output Type=Adjustable, Output Voltage=41.1V, Packaging="Tape and Reel", Partnumber=TPS54540QDDARQ1, Pricing 1="1=5.69, 10=5.1, 25=4.83, 100=3.97, 250=3.56, 500=3.43 (USD)", Pricing 2="1=5.68, 10=5.1, 25=4.8216, 100=3.9646, 250=3.5574, 500=3.4288, 1000=2.85019 (USD)", Radiation Hardening=No, Stock 1=2115, Stock 2=3151, Supplier 1=Mouser, Supplier 2=Digi-Key, Supplier Part Number 2=296-38301-1-ND, Synchronous Rectifier=No, Weight=0.000917oz
U3: Case/Package=SOIC, Manufacturer="Texas Instruments", Max Input Voltage=36V, Max Operating Temperature=125°C, Max Output Current=1A, Max Output Voltage=31.32V, Min Input Voltage=5.5V, Min Operating Temperature=-40°C, Min Output Voltage=1.221V, Output Voltage=31V, Package Quantity=2500, Quiescent Current=3mA, Supplier Part Number 1=595-TPS5410QDRQ1, Switching Frequency=500kHz, ComponentLink1Description=http://www.ti.com/lit/ds/symlink/tps5410-q1.pdf?src-supplier=Digi-Key, ComponentLink1URL=http://www.ti.com/lit/ds/symlink/tps5410-q1.pdf?src-supplier=Digi-Key, ComponentLink2Description=http://www.ti.com/lit/gpn/tps5410-q1?src-supplier=Mouser, ComponentLink2URL=http://www.ti.com/lit/gpn/tps5410-q1?src-supplier=Mouser, ComponentLink3Description=http://focus.ti.com/lit/ds/symlink/tps5410-q1.pdf?src-supplier=Avnet+Europe, ComponentLink3URL=http://focus.ti.com/lit/ds/symlink/tps5410-q1.pdf?src-supplier=Avnet+Europe, ComponentLink4Description=http://datasheet.iiic.cc/texas_instruments/TPS5410QDRQ1.pdf?src-supplier=IIIC, ComponentLink4URL=http://datasheet.iiic.cc/texas_instruments/TPS5410QDRQ1.pdf?src-supplier=IIIC, Lead Free="Lead Free", Manufacturer Part Number=TPS5410QDRQ1, Mount="Surface Mount", Number of Outputs=1, Number of Pins=8, Operating Supply Voltage=36V, Output Configuration=Positive, Output Current=1A, Output Type=Adjustable, Packaging="Tape and Reel", Partnumber=TPS5410QDRQ1, Pricing 1="1=3.21, 10=2.88, 25=2.73, 100=2.24, 250=2.01, 500=1.94 (USD)", Pricing 2="1=3.21, 10=2.88, 25=2.7224, 100=2.2385, 250=2.0086, 500=1.936, 1000=1.6093 (USD)", Radiation Hardening=No, Stock 1=2489, Stock 2=2566, Supplier 1=Mouser, Supplier 2=Digi-Key, Supplier Part Number 2=296-25229-1-ND, Synchronous Rectifier=No
U4 U9: Case/Package=SOIC, Manufacturer="Texas Instruments", Max Input Voltage=36V, Max Operating Temperature=125°C, Max Output Current=2A, Max Output Voltage=31V, Min Input Voltage=5.5V, Min Operating Temperature=-40°C, Min Output Voltage=1.22V, Package Quantity=2500, Quiescent Current=3mA, Supplier Part Number 1=595-TPS5420QDRQ1, Switching Frequency=500kHz, ComponentLink1Description=http://www.ti.com/general/docs/lit/getliterature.tsp?genericPartNumber=TPS5420-Q1&&fileType=pdf&src-supplier=Avnet, ComponentLink1URL=http://www.ti.com/general/docs/lit/getliterature.tsp?genericPartNumber=TPS5420-Q1&&fileType=pdf&src-supplier=Avnet, ComponentLink2Description=http://www.ti.com/lit/ds/symlink/tps5420-q1.pdf?src-supplier=Digi-Key, ComponentLink2URL=http://www.ti.com/lit/ds/symlink/tps5420-q1.pdf?src-supplier=Digi-Key, ComponentLink3Description=https://www.verical.com/server-webapp/html/getDatasheet?partID=292405&src-supplier=Verical, ComponentLink3URL=https://www.verical.com/server-webapp/html/getDatasheet?partID=292405&src-supplier=Verical, ComponentLink4Description=http://focus.ti.com/lit/ds/symlink/tps5420-q1.pdf?src-supplier=Avnet+Europe, ComponentLink4URL=http://focus.ti.com/lit/ds/symlink/tps5420-q1.pdf?src-supplier=Avnet+Europe, ComponentLink5Description=http://datasheet.iiic.cc/texas_instruments/TPS5420QDRQ1.pdf?src-supplier=IIIC, ComponentLink5URL=http://datasheet.iiic.cc/texas_instruments/TPS5420QDRQ1.pdf?src-supplier=IIIC, Efficiency=95%, Lead Free="Lead Free", Manufacturer Part Number=TPS5420QDRQ1, Mount="Surface Mount", Number of Outputs=1, Number of Pins=8, Operating Supply Voltage=36V, Output Current=2A, Output Type=Adjustable, Output Voltage=1.22V, Packaging="Tape and Reel", Partnumber=TPS5420QDRQ1, Pricing 1="1=3.94, 10=3.54, 25=3.35, 100=2.75, 250=2.47, 500=2.38 (USD)", Pricing 2="1=3.94, 10=3.534, 25=3.3412, 100=2.7473, 250=2.46512, 500=2.376, 1000=1.97505 (USD)", Radiation Hardening=No, REACH SVHC="No SVHC", Stock 1=3562, Stock 2=4441, Supplier 1=Mouser, Supplier 2=Digi-Key, Supplier Part Number 2=296-23226-1-ND, Synchronous Rectifier=No, Weight=0.002677oz
U5: "24 bit ADC Differential Input, SPI, 28-pin TSSOP", Case/Package=TSSOP, Dual Supply Voltage=2.5V, Manufacturer="Texas Instruments", Max Operating Temperature=105°C, Max Power Dissipation=2.3mW, Max Supply Voltage=5V, Max Supply Voltage (DC)=5.25V, Min Operating Temperature=-40°C, Min Supply Voltage=3V, Min Supply Voltage (DC)=2.7V, Operating Supply Voltage=3.3V, Operating Temperature="-40°C ~ 105°C", Package / Case="28-TSSOP (0.173\", 4.40mm Width)", Package Quantity=2000, Partnumber=ADS1248IPWR, Supplier Device Package=28-TSSOP, Supplier Part Number 1=296-24294-5-ND, Voltage - Supply, Analog="2.7 V ~ 5.25 V", Architecture=Sigma-Delta, Category="Integrated Circuits (ICs)", ComponentLink1Description=http://www.ti.com/lit/ds/symlink/ads1246.pdf, ComponentLink1URL=http://www.ti.com/lit/ds/symlink/ads1246.pdf, ComponentLink2Description=http://www.ti.com/lit/ds/symlink/ads1246.pdf?src-supplier=Digi-Key, ComponentLink2URL=http://www.ti.com/lit/ds/symlink/ads1246.pdf?src-supplier=Digi-Key, ComponentLink3Description=http://datasheet.iiic.cc/texas_instruments/ADS1248IPWR.pdf?src-supplier=IIIC, ComponentLink3URL=http://datasheet.iiic.cc/texas_instruments/ADS1248IPWR.pdf?src-supplier=IIIC, Configuration=MUX-PGA-ADC, Contact Plating=Gold, Conversion Rate=2KS/s, Data Interface=SPI, Differential Nonlinearity=1LSB, Features="PGA, Temperature Sensor", Input Type="Differential, Single Ended", Interface=SPI, Lead Free="Lead Free", Manufacturer Part Number=ADS1248IPW, Number of A/D Converters=1, Number of Bits=24, Number of Channels=4, Number of Converters=1, Number of Elements=1, Number of Inputs="4, 7", Number of Pins=28, Packaging=Tube, Part_Number=ADS1248IPWR, Polarity=Bipolar, Power Consumption=2.3mW, Power Dissipation=2.3mW, Price=£7.51, Pricing 1="1=10.49, 10=9.535, 25=8.822, 50=8.3402, 100=8.0994, 250=7.38576, 500=6.91298, 750=6.58295, 1000=5.96079 (EUR)", Pricing 4="1=10.58, 10=9.56, 25=9.12, 100=7.56, 250=6.89, 500=6.45 (USD)", Pricing 5="1=10.58, 10=9.555, 25=9.1104, 100=7.5548, 250=6.8882, 500=6.4438, 1000=5.7772 (USD)", Radiation Hardening=No, Ratio - S/H:ADC=-, REACH SVHC="No SVHC", Reference Type="External, Internal", Resolution=24b, RoHS="RoHS Compliant", Sampling Rate=2KS/s, Sampling Rate (Per Second)=2k, Stock 1=1835, Stock 4=4553, Stock 5=5158, Supplier="RS Online", Supplier 1=Digi-Key, Supplier 2=Farnell, Supplier 3=Newark, Supplier 4=Mouser, Supplier 5=Digi-Key, Supplier Part Number 2=1735557, Supplier Part Number 3=05R0320, Supplier Part Number 4=595-ADS1248IPWR, Supplier Part Number 5=296-38852-1-ND, Supplier_Link=http://uk.rs-online.com/web/p/general-purpose-adcs/7091921/?searchTerm=ads1248&relevancy-data=636F3D3226696E3D4931384E4B6E6F776E41734D504E266C753D656E266D6D3D6D61746368616C6C7061727469616C26706D3D5E5B5C707B4C7D5C707B4E647D2D2C2F255C2E5D2B2426706F3D313326736E3D592673743D4D414E5F504152545F4E554D4245522677633D424F5448267573743D6164733132343826, Supplier_Part_Number=709-1921, Supply Type=Dual,Analog,Digital,Single, Voltage - Supply, Digital="2.7 V ~ 5.25 V"